# Altium PCB foxbms2-master.PcbDoc (part 1 of 11) (continued)
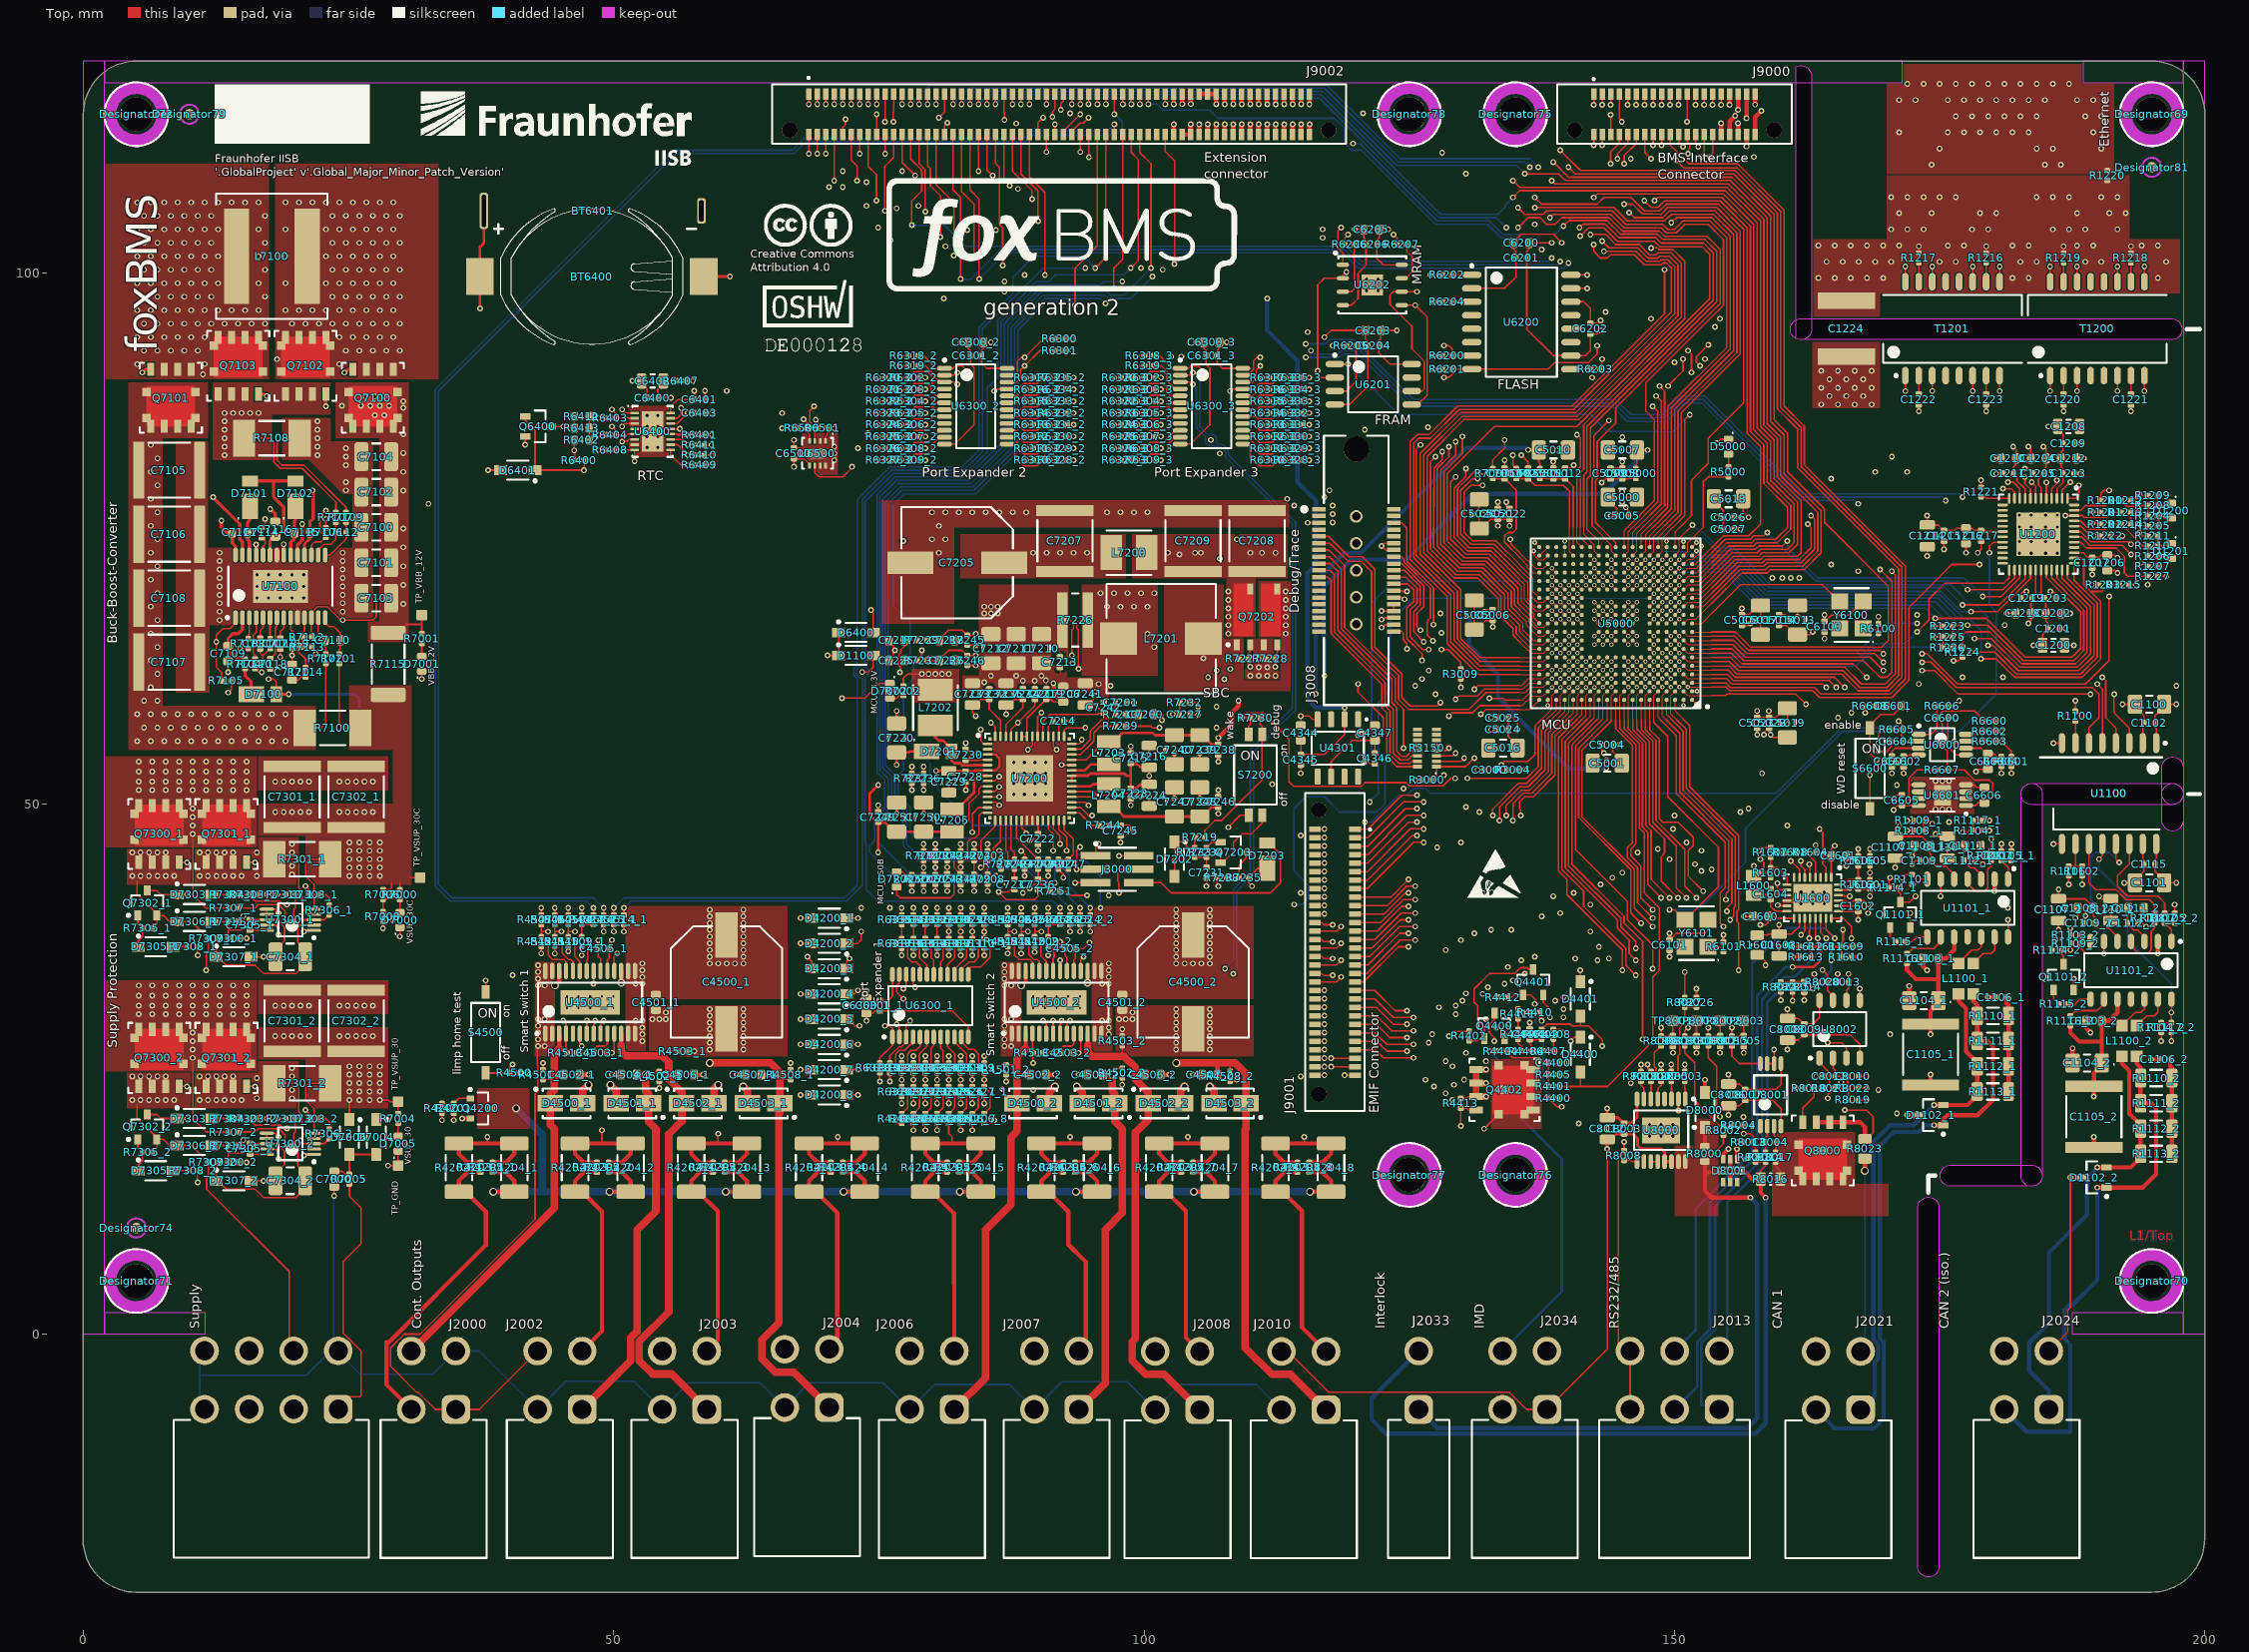
[diagram p0: Top view]
## Design rules (kind name [scope] priority, off if disabled: settings) (continued)
SupplyNets "Schematic Supply Nets_24" [InNet('VEE')] p4: voltage=0.000
SupplyNets "Schematic Supply Nets_23" [InNet('GND')] p5: voltage=0.000
SupplyNets "Schematic Supply Nets_22" [InNet('MCU_1.1V')] p6: voltage=0.000
SupplyNets "Schematic Supply Nets_21" [InNet('MCU_5.0V_LDO')] p7: voltage=0.000
SupplyNets "Schematic Supply Nets_20" [InNet('MCU_1.2V_LDO')] p8: voltage=0.000
SupplyNets "Schematic Supply Nets_19" [InNet('GND_ext')] p9: voltage=0.000
SupplyNets "Schematic Supply Nets_18" [InNet('MCU_2.5V')] p10: voltage=0.000
SupplyNets "Schematic Supply Nets_17" [InNet('VCC')] p11: voltage=0.000
SupplyNets "Schematic Supply Nets_16" [InNet('VCC_reg')] p12: voltage=0.000
SupplyNets "Schematic Supply Nets_15" [InNet('SHIELD')] p13: voltage=0.000
SupplyNets "Schematic Supply Nets_14" [InNet('MCU_3.3V')] p14: voltage=0.000
SupplyNets "Schematic Supply Nets_13" [InNet('MCU_1.2V')] p15: voltage=0.000
SupplyNets "Schematic Supply Nets_12" [InNet('VSUP_30')] p16: voltage=0.000
SupplyNets "Schematic Supply Nets_11" [InNet('VBAT')] p17: voltage=0.000
SupplyNets "Schematic Supply Nets_10" [InNet('VREF_5V')] p18: voltage=0.000
SupplyNets "Schematic Supply Nets_9" [InNet('VCCPLL_1.2V')] p19: voltage=0.000
SupplyNets "Schematic Supply Nets_8" [InNet('VBB_12V')] p20: voltage=0.000
SupplyNets "Schematic Supply Nets_7" [InNet('VCCAD_5.0V')] p21: voltage=0.000
SupplyNets "Schematic Supply Nets_6" [InNet('VSUP_30C')] p22: voltage=0.000
SupplyNets "Schematic Supply Nets_5" [InNet('ADREFHI')] p23: voltage=0.000
SupplyNets "Schematic Supply Nets_4" [InNet('GND_SW_1')] p24: voltage=0.000
SupplyNets "Schematic Supply Nets_3" [InNet('VCC_int')] p25: voltage=0.000
SupplyNets "Schematic Supply Nets_2" [InNet('VDD')] p26: voltage=0.000
SupplyNets "Schematic Supply Nets_1" [InNet('VBOS')] p27: voltage=0.000
SupplyNets "Schematic Supply Nets" [InNet('VISO_ext')] p28: voltage=0.000
UnRoutedNet [All] p1: checkbadconnections=TRUE
Width Width_mcu_fanout [WithinRoom('mcu_fanout')] p1: maxlimit=0.102 minlimit=0.102 preferedwidth=0.102
Width [All] p2: maxlimit=1.524 minlimit=0.152 preferedwidth=0.152
16 further rules are at their usual default settings.

## Classes and differential pairs
component class io-matrix: D1100 D6400
net class PE_IO: COM_IO.COM_IO_PE.IO0_0_1 COM_IO.COM_IO_PE.IO0_1_1 COM_IO.COM_IO_PE.IO0_2_1 COM_IO.COM_IO_PE.IO0_3_1 COM_IO.COM_IO_PE.IO0_4_1 COM_IO.COM_IO_PE.IO0_5_1 COM_IO.COM_IO_PE.IO0_6_1 COM_IO.COM_IO_PE.IO0_7_1 COM_IO.COM_IO_PE.IO1_0_1 COM_IO.COM_IO_PE.IO1_1_1 COM_IO.COM_IO_PE.IO1_2_1 COM_IO.COM_IO_PE.IO1_3_1 COM_IO.COM_IO_PE.IO1_4_1 COM_IO.COM_IO_PE.IO1_5_1 COM_IO.COM_IO_PE.IO1_6_1 COM_IO.COM_IO_PE.IO1_7_1 IODEV_IO.CONT_FB_IO.IO0_0_1 IODEV_IO.CONT_FB_IO.IO0_1_1 IODEV_IO.CONT_FB_IO.IO0_2_1 IODEV_IO.CONT_FB_IO.IO0_3_1 IODEV_IO.CONT_FB_IO.IO0_4_1 IODEV_IO.CONT_FB_IO.IO0_5_1 IODEV_IO.CONT_FB_IO.IO0_6_1 IODEV_IO.CONT_FB_IO.IO0_7_1 IODEV_IO.CONT_FB_IO.IO1_0_1 IODEV_IO.CONT_FB_IO.IO1_1_1 IODEV_IO.CONT_FB_IO.IO1_2_1 IODEV_IO.CONT_FB_IO.IO1_3_1 IODEV_IO.CONT_FB_IO.IO1_4_1 IODEV_IO.CONT_FB_IO.IO1_5_1 IODEV_IO.CONT_FB_IO.IO1_6_1 IODEV_IO.CONT_FB_IO.IO1_7_1 PER_IO.\SE_RESET_1 PER_IO.PE_IO3.IO0_1_1 PER_IO.PE_IO3.IO0_2_1 PER_IO.PE_IO3.IO0_3_1 PER_IO.PE_IO3.IO0_4_1 PER_IO.PE_IO3.IO0_5_1 PER_IO.PE_IO3.IO0_6_1 PER_IO.PE_IO3.IO0_7_1 PER_IO.PE_IO3.IO1_0_1 PER_IO.PE_IO3.IO1_1_1 PER_IO.PE_IO3.IO1_2_1 PER_IO.PE_IO3.IO1_3_1 PER_IO.PE_IO3.IO1_4_1 PER_IO.PE_IO3.IO1_5_1 PER_IO.PE_IO3.IO1_6_1 PER_IO.PE_IO3.IO1_7_1
net class ETHERNET_INT: A_10_N A_10_P B_10_N B_10_P C_10_N C_10_P D_10_N D_10_P
net class CON_EXTENSION: \DBG_RESET_1 FLASH_SPI.CLK_1 FLASH_SPI.MISO_1 FLASH_SPI.MOSI_1 INTERLOCK_IO.IL_ENABLE_EXT_1 INTERLOCK_IO.IL_STATE_1 IODEV_IO.SMSW1_IN1 IODEV_IO.SMSW1_IN2 IODEV_IO.SMSW1_IN3 IODEV_IO.SMSW1_IN4 IODEV_IO.SMSW2_IN1 IODEV_IO.SMSW2_IN2 IODEV_IO.SMSW2_IN3 IODEV_IO.SMSW2_IN4 IODEV_IO.SMSW_LHM_1 MCU_ADC.AD1EVT_1 MCU_ADC.AD1IN24 MCU_ADC.AD1IN25 MCU_ADC.AD1IN26 MCU_ADC.AD1IN27 MCU_ADC.AD2EVT_1 MCU_ADC.AD2IN16 MCU_ADC.AD2IN17 MCU_ADC.AD2IN18 MCU_ADC.AD2IN19 MCU_CAN3.RX_1 MCU_CAN3.TX_1 MCU_CAN4.RX_1 MCU_CAN4.TX_1 MCU_DCC.1_1 MCU_ECAP.4_1 MCU_ECAP.5_1 MCU_EPWM1.A_1 MCU_EPWM1.B_1 MCU_FRAY1.RX_1 MCU_FRAY1.TX_1 MCU_FRAY1.TXEN_1 MCU_FRAY2.RX_1 MCU_FRAY2.TX_1 MCU_FRAY2.TXEN_1 MCU_GIOA.7_1 MCU_GIOX.A4_1 MCU_GIOX.A11_1 MCU_GIOX.A14_1 MCU_GIOX.B3_1 MCU_GIOX.H4_1 MCU_GIOX.J1_1 MCU_GIOX.J4_1 MCU_GIOX.K19_1 MCU_GIOX.M16_1 MCU_GIOX.N16_1 MCU_GIOX.P1_1 MCU_GIOX.P2_1 MCU_I2C1.SCL_1 MCU_I2C1.SDA_1 MCU_LIN1.RX_1 MCU_LIN1.TX_1 MCU_LIN2.RX_1 MCU_LIN2.TX_1 MCU_RST.\PORRST_1 MCU_SCI3.RX_1 MCU_SCI3.TX_1 MCU_SPI3.\CS4_1 MCU_SPI3.\CS5_1 MCU_SPI5.\CS0_1 MCU_SPI5.\CS1_1 MCU_SPI5.\CS2_1 MCU_SPI5.\CS3_1 MCU_SPI5.CLK_1 MCU_SPI5.SIMO0_1 MCU_SPI5.SIMO1_1 MCU_SPI5.SIMO2_1 MCU_SPI5.SIMO3_1 MCU_SPI5.SOMI0_1 MCU_SPI5.SOMI1_1 MCU_SPI5.SOMI2_1 MCU_SPI5.SOMI3_1 PER_IO.\WW_ENABLE_1 PER_IO.\WW_RESETIN_1 SUPPLY_IO.SBC_MCU_FS0B_1
net class CON_IF: MCU_GIOA.2_1 MCU_GIOA.3_1 MCU_GIOA.4_1 MCU_GIOA.6_1 MCU_SPI1.\CS1_1 MCU_SPI1.\CS2_1 MCU_SPI1.\CS3_1 MCU_SPI1.\CS4_1 MCU_SPI1.\CS5_1 MCU_SPI1.CLK_1 MCU_SPI1.SIMO0_1 MCU_SPI1.SIMO1_1 MCU_SPI1.SOMI0_1 MCU_SPI1.SOMI1_1 MCU_SPI4.\CS0_1 MCU_SPI4.\CS1_1 MCU_SPI4.\CS2_1 MCU_SPI4.\CS3_1 MCU_SPI4.\CS4_1 MCU_SPI4.\CS5_1 MCU_SPI4.CLK_1 MCU_SPI4.SIMO_1 MCU_SPI4.SOMI_1 PER_IO.PE_IO3.IO1_0_1 PER_IO.PE_IO3.IO1_1_1 PER_IO.PE_IO3.IO1_2_1 PER_IO.PE_IO3.IO1_3_1 PER_IO.PE_IO3.IO1_4_1 PER_IO.PE_IO3.IO1_5_1 PER_IO.PE_IO3.IO1_6_1 PER_IO.PE_IO3.IO1_7_1
net class MCU_MII: MCU_MII.RXCLK_1 MCU_MII.RXCTRL_1 MCU_MII.RXD0_1 MCU_MII.RXD1_1 MCU_MII.RXD2_1 MCU_MII.RXD3_1 MCU_MII.TXCLK_1 MCU_MII.TXD0_1 MCU_MII.TXD1_1 MCU_MII.TXD2_1 MCU_MII.TXD3_1 MCU_MII.TXEN_1 NetU1200_40
net class ETHERNET_EXT: ETHERNET.LED_GN_A_1 ETHERNET.LED_GN_C_1 ETHERNET.LED_YE_A_1 ETHERNET.LED_YE_C_1 ETHERNET.RX1_1_N ETHERNET.RX1_1_P ETHERNET.RX2_1_N ETHERNET.RX2_1_P ETHERNET.SHIELD_1 ETHERNET.TX1_1_N ETHERNET.TX1_1_P ETHERNET.TX2_1_N ETHERNET.TX2_1_P NetR1216_2 NetR1217_2 NetR1218_2 NetR1219_2 SHIELD
net class iso_CAN2: \CAN2.STB_iso_3 CAN2.EN_iso_3 CAN2.RX_iso_3 CAN2.TX_iso_3 GND_ext iso_CAN2.H_1 iso_CAN2.L_1 iso_CAN2.VSUP_1 NetC1106_2_2 NetL1100_2_2 NetL1100_2_3 NetQ1101_2_D NetQ1101_2_G NetR1105_2_1 NetR1108_2_2 NetR1115_2_2 NetR1116_2_1 NetU1101_2_7 SEL_3 VISO_ext
net class MCU_JTAG: \DBG_RESET_1 \TRST_13 MCU_JTAG.\TRST_1 MCU_JTAG.RTCK_1 MCU_JTAG.TCK_1 MCU_JTAG.TDI_1 MCU_JTAG.TDO_1 MCU_JTAG.TMS_1 TCK_13 TDI_13 TMS_13
channel class supply-protection: supply-protection-30 supply-protection-30C
component class supply-protection-30C: C7300_1 C7301_1 C7302_1 C7303_1 C7304_1 C7305_1 D7303_1 D7305_1 D7306_1 D7307_1 Q7300_1 Q7301_1 Q7302_1 R7301_1 R7303_1 R7304_1 R7305_1 R7306_1 R7307_1 R7308_1 R7309_1 R7310_1 R7311_1 U7300_1
component class connectors-interface: J9000
component class connectors-extension: J9001 J9002
net class Supply_All: GND MCU_1.1V MCU_1.2V MCU_1.2V_LDO MCU_2.5V MCU_3.3V MCU_5.0V_LDO MCU_5.74V
net class MCU_LIN: MCU_LIN1.RX_1 MCU_LIN1.TX_1 MCU_LIN2.RX_1 MCU_LIN2.TX_1
net class MCU_I2C: MCU_I2C1.SCL_1 MCU_I2C1.SDA_1
net class MCU_SPI5: MCU_SPI5.\CS0_1 MCU_SPI5.\CS1_1 MCU_SPI5.\CS2_1 MCU_SPI5.\CS3_1 MCU_SPI5.CLK_1 MCU_SPI5.SIMO0_1 MCU_SPI5.SIMO1_1 MCU_SPI5.SIMO2_1 MCU_SPI5.SIMO3_1 MCU_SPI5.SOMI0_1 MCU_SPI5.SOMI1_1 MCU_SPI5.SOMI2_1 MCU_SPI5.SOMI3_1
net class MCU_SPI4: MCU_SPI4.\CS0_1 MCU_SPI4.\CS1_1 MCU_SPI4.\CS2_1 MCU_SPI4.\CS3_1 MCU_SPI4.\CS4_1 MCU_SPI4.\CS5_1 MCU_SPI4.CLK_1 MCU_SPI4.SIMO_1 MCU_SPI4.SOMI_1
net class MCU_SPI3: FLASH_SPI.\CS_1 FLASH_SPI.CLK_1 FLASH_SPI.MISO_1 FLASH_SPI.MOSI_1 FRAM_SPI.\CS_1 MCU_SPI3.\CS4_1 MCU_SPI3.\CS5_1 MCU_SPI3.\sCS6_1
net class MCU_SPI2: MCU_SPI2.\CS0_1 MCU_SPI2.\sCS2_1 MCU_SPI2.CLK_1 MCU_SPI2.SIMO_1 MCU_SPI2.SOMI_1
net class MCU_SPI1: MCU_SPI1.\CS1_1 MCU_SPI1.\CS2_1 MCU_SPI1.\CS3_1 MCU_SPI1.\CS4_1 MCU_SPI1.\CS5_1 MCU_SPI1.CLK_1 MCU_SPI1.SIMO0_1 MCU_SPI1.SIMO1_1 MCU_SPI1.SOMI0_1 MCU_SPI1.SOMI1_1
net class MCU_FRAY: MCU_FRAY1.RX_1 MCU_FRAY1.TX_1 MCU_FRAY1.TXEN_1 MCU_FRAY2.RX_1 MCU_FRAY2.TX_1 MCU_FRAY2.TXEN_1
net class MCU_CAN: MCU_CAN1.RX_1 MCU_CAN1.TX_1 MCU_CAN2.RX_1 MCU_CAN2.TX_1 MCU_CAN3.RX_1 MCU_CAN3.TX_1 MCU_CAN4.RX_1 MCU_CAN4.TX_1
net class MCU_ADC: MCU_ADC.AD1EVT_1 MCU_ADC.AD1IN0 MCU_ADC.AD1IN1 MCU_ADC.AD1IN2 MCU_ADC.AD1IN3 MCU_ADC.AD1IN4 MCU_ADC.AD1IN5 MCU_ADC.AD1IN6 MCU_ADC.AD1IN7 MCU_ADC.AD1IN8 MCU_ADC.AD1IN9 MCU_ADC.AD1IN10 MCU_ADC.AD1IN11 MCU_ADC.AD1IN12 MCU_ADC.AD1IN13 MCU_ADC.AD1IN14 MCU_ADC.AD1IN15 MCU_ADC.AD1IN16 MCU_ADC.AD1IN17 MCU_ADC.AD1IN18 MCU_ADC.AD1IN19 MCU_ADC.AD1IN20 MCU_ADC.AD1IN21 MCU_ADC.AD1IN22 MCU_ADC.AD1IN23 MCU_ADC.AD1IN24 MCU_ADC.AD1IN25 MCU_ADC.AD1IN26 MCU_ADC.AD1IN27 MCU_ADC.AD1IN28 MCU_ADC.AD1IN29 MCU_ADC.AD1IN30 MCU_ADC.AD1IN31 MCU_ADC.AD2EVT_1 MCU_ADC.AD2IN16 MCU_ADC.AD2IN17 MCU_ADC.AD2IN18 MCU_ADC.AD2IN19 MCU_ADC.AD2IN20 MCU_ADC.AD2IN21 MCU_ADC.AD2IN22 MCU_ADC.AD2IN23 MCU_ADC.AD2IN24
net class MCU_ETM: MCU_ETM.CLKIN_1 MCU_ETM.CLKOUT_1 MCU_ETM.CTL_1 MCU_ETM.DATA0_1 MCU_ETM.DATA1_1 MCU_ETM.DATA2_1 MCU_ETM.DATA3_1 MCU_ETM.DATA4_1 MCU_ETM.DATA5_1 MCU_ETM.DATA6_1 MCU_ETM.DATA7_1
net class MCU_EMIF: MCU_EMIF.\CAS_1 MCU_EMIF.\CS0_1 MCU_EMIF.\CS2_1 MCU_EMIF.\CS3_1 MCU_EMIF.\CS4_1 MCU_EMIF.\DQM0_1 MCU_EMIF.\DQM1_1 MCU_EMIF.\OE_1 MCU_EMIF.\RAS_1 MCU_EMIF.\WAIT_1 MCU_EMIF.\WE_1 MCU_EMIF.ADDR0 MCU_EMIF.ADDR1 MCU_EMIF.ADDR2 MCU_EMIF.ADDR3 MCU_EMIF.ADDR4 MCU_EMIF.ADDR5 MCU_EMIF.ADDR6 MCU_EMIF.ADDR7 MCU_EMIF.ADDR8 MCU_EMIF.ADDR9 MCU_EMIF.ADDR10 MCU_EMIF.ADDR11 MCU_EMIF.ADDR12 MCU_EMIF.ADDR13 MCU_EMIF.ADDR14 MCU_EMIF.ADDR15 MCU_EMIF.ADDR16 MCU_EMIF.ADDR17 MCU_EMIF.ADDR18 MCU_EMIF.ADDR19 MCU_EMIF.ADDR20 MCU_EMIF.ADDR21 MCU_EMIF.BA0_1 MCU_EMIF.BA1_1 MCU_EMIF.CKE_1 MCU_EMIF.CLK_1 MCU_EMIF.DATA0 MCU_EMIF.DATA1 MCU_EMIF.DATA2 MCU_EMIF.DATA3 MCU_EMIF.DATA4 MCU_EMIF.DATA5 MCU_EMIF.DATA6 MCU_EMIF.DATA7 MCU_EMIF.DATA8 MCU_EMIF.DATA9 MCU_EMIF.DATA10 MCU_EMIF.DATA11 MCU_EMIF.DATA12 MCU_EMIF.DATA13 MCU_EMIF.DATA14 MCU_EMIF.DATA15
net class MCU_DMM: MCU_DMM.\ENA_1 MCU_DMM.CLK_1 MCU_DMM.DATA0_1 MCU_DMM.DATA1_1 MCU_DMM.SYNC_1
net class MCU_Supply: ADREFHI GND MCU_1.2V MCU_3.3V VCCAD_5.0V VCCPLL_1.2V
component class oscillator-20MHz: C6100 R6100 Y6100
component class interlock: C8000 C8001 C8002 C8003 C8004 C8005 C8006 C8007 C8008 C8009 C8010 C8011 C8012 C8013 C8014 D8000 D8001 Q8000 R8000 R8001 R8002 R8003 R8004 R8005 R8006 R8007 R8008 R8009 R8010 R8011 R8012 R8013 R8014 R8015 R8016 R8017 R8018 R8019 R8020 R8021 R8022 R8023 R8024 R8025 R8026 R8027 TP8000 TP8001 TP8002 TP8003 U8000 U8001 U8002
channel class smart-switch: smart-switch1 smart-switch2
channel class port-expander: port-expander1 port-expander2 port-expander3
channel class contactor-feedback-divider: contactor-feedback-divider1 contactor-feedback-divider2 contactor-feedback-divider3 contactor-feedback-divider4 contactor-feedback-divider5 contactor-feedback-divider6 contactor-feedback-divider7 contactor-feedback-divider8
channel class can-transceiver: can-transceiver1 can-transceiver2
component class window-watchdog: C6600 C6601 C6602 C6603 C6604 C6605 C6606 D6601 R6600 R6601 R6602 R6603 R6604 R6605 R6606 R6607 R6608 S6600 U6600 U6601
component class vref-5.0V: C4344 C4345 C4346 C4347 U4301
component class supply: C7000 C7001 D7000 D7001 D7002 D7004 D7005 D7006 R7000 R7001 R7002 R7004 R7005 R7006 R7007 R7008 TP_GND TP_VBB_12V TP_VSUP_30 TP_VSUP_30C
component class supply-protection-30: C7300_2 C7301_2 C7302_2 C7303_2 C7304_2 C7305_2 D7303_2 D7305_2 D7306_2 D7307_2 Q7300_2 Q7301_2 Q7302_2 R7301_2 R7303_2 R7304_2 R7305_2 R7306_2 R7307_2 R7308_2 R7309_2 R7310_2 R7311_2 U7300_2
component class smart-switches: R4500 S4500
component class smart-switch2: C4500_2 C4501_2 C4502_2 C4503_2 C4504_2 C4505_2 C4506_2 C4507_2 D4500_2 D4501_2 D4502_2 D4503_2 R4501_2 R4502_2 R4503_2 R4504_2 R4505_2 R4506_2 R4507_2 R4508_2 R4509_2 R4510_2 R4511_2 R4512_2 R4513_2 R4514_2 R4515_2 R4516_2 R4517_2 U4500_2
component class smart-switch1: C4500_1 C4501_1 C4502_1 C4503_1 C4504_1 C4505_1 C4506_1 C4507_1 D4500_1 D4501_1 D4502_1 D4503_1 R4501_1 R4502_1 R4503_1 R4504_1 R4505_1 R4506_1 R4507_1 R4508_1 R4509_1 R4510_1 R4511_1 R4512_1 R4513_1 R4514_1 R4515_1 R4516_1 R4517_1 U4500_1
component class sensor-hum-temp: C6500 R6500 R6501 U6500
component class sbcs: C7200 C7201 R7200 R7201 R7202 R7203 R7204 R7205 R7206 R7208 R7209 R7210
component class sbc-mcu: C7205 C7206 C7207 C7208 C7209 C7210 C7211 C7212 C7213 C7214 C7215 C7216 C7217 C7218 C7219 C7220 C7221 C7222 C7223 C7224 C7225 C7226 C7227 C7228 C7229 C7230 C7231 C7232 C7233 C7234 C7235 C7236 C7237 C7238 C7239 C7240 C7241 C7242 C7243 C7244 C7245 C7246 C7247 C7248 C7249 C7250 C7251 D7200 D7201 D7202 D7203 L7200 L7201 L7202 L7203 L7204 L7205 Q7202 Q7203 R7207 R7219 R7226 R7227 R7228 R7229 R7230 R7231 R7232 R7233 R7234 R7235 R7236 R7237 R7238 R7239 R7240 R7241 R7242 R7243 R7244 R7245 R7246 R7247 R7248 R7249 R7250 R7251 S7200 U7200
component class rtc: BT6400 BT6401 C6400 C6401 C6402 C6403 D6401 Q6400 R6400 R6401 R6402 R6403 R6404 R6407 R6408 R6409 R6410 R6411 R6412 R6413 U6400
component class rs232-rs485-transceiver: C1600 C1601 C1602 C1603 C1604 L1600 R1600 R1601 R1602 R1603 R1604 R1605 R1606 R1607 R1608 R1609 R1610 R1611 R1612 R1613 U1600
component class port-expanders: R6300 R6301
component class port-expander3: C6300_3 C6301_3 R6302_3 R6303_3 R6304_3 R6305_3 R6306_3 R6307_3 R6308_3 R6309_3 R6310_3 R6311_3 R6312_3 R6313_3 R6314_3 R6315_3 R6316_3 R6317_3 R6318_3 R6319_3 R6320_3 R6321_3 R6322_3 R6323_3 R6324_3 R6325_3 R6326_3 R6327_3 R6328_3 R6329_3 R6330_3 R6331_3 R6332_3 R6333_3 R6334_3 R6335_3 U6300_3
component class port-expander2: C6300_2 C6301_2 R6302_2 R6303_2 R6304_2 R6305_2 R6306_2 R6307_2 R6308_2 R6309_2 R6310_2 R6311_2 R6312_2 R6313_2 R6314_2 R6315_2 R6316_2 R6317_2 R6318_2 R6319_2 R6320_2 R6321_2 R6322_2 R6323_2 R6324_2 R6325_2 R6326_2 R6327_2 R6328_2 R6329_2 R6330_2 R6331_2 R6332_2 R6333_2 R6334_2 R6335_2 U6300_2
component class port-expander1: C6300_1 C6301_1 R6302_1 R6303_1 R6304_1 R6305_1 R6306_1 R6307_1 R6308_1 R6309_1 R6310_1 R6311_1 R6312_1 R6313_1 R6314_1 R6315_1 R6316_1 R6317_1 R6318_1 R6319_1 R6320_1 R6321_1 R6322_1 R6323_1 R6324_1 R6325_1 R6326_1 R6327_1 R6328_1 R6329_1 R6330_1 R6331_1 R6332_1 R6333_1 R6334_1 R6335_1 U6300_1
component class oscillator-25MHz: C6101 R6101 Y6101
component class mram: C6205 C6206 R6206 R6207 U6202
component class mcu-supply: C5000 C5001 C5002 C5003 C5004 C5005 C5006 C5007 C5008 C5009 C5010 C5011 C5012 C5013 C5014 C5015 C5016 C5017 C5018 C5019 C5020 C5021 C5022 C5023 C5024 C5025 C5026 C5027 C5028 FB5000 FB5001 FB5002
component class mcu-com-gpio-tim: D5000 R5000
component class mcu-adc: U5000
component class insulation-monitoring: C4400 C4401 D4400 D4401 Q4400 Q4401 Q4402 R4400 R4401 R4402 R4403 R4404 R4405 R4406 R4407 R4408 R4409 R4410 R4411 R4412 R4413
component class fram: C6203 C6204 R6205 U6201
component class flash: C6200 C6201 C6202 R6200 R6201 R6202 R6203 R6204 U6200
component class ethernet-phy: C1200 C1201 C1202 C1203 C1204 C1205 C1206 C1207 C1208 C1209 C1210 C1211 C1212 C1213 C1214 C1215 C1216 C1217 C1218 C1219 C1220 C1221 C1222 C1223 C1224 D1200 D1201 R1200 R1201 R1202 R1203 R1204 R1205 R1206 R1207 R1208 R1209 R1210 R1211 R1212 R1213 R1214 R1215 R1216 R1217 R1218 R1219 R1220 R1221 R1222 R1223 R1224 R1225 R1226 R1227 T1200 T1201 U1200
component class digital-isolator-can: C1100 C1101 C1102 C1115 R1100 R1102 R1106 U1100
component class contactor-feedback: Q4200 R4200 R4201
component class contactor-feedback-divider8: D4200_8 R4202_8 R4203_8 R4204_8 R4205_8 R4206_8
component class contactor-feedback-divider7: D4200_7 R4202_7 R4203_7 R4204_7 R4205_7 R4206_7
component class contactor-feedback-divider6: D4200_6 R4202_6 R4203_6 R4204_6 R4205_6 R4206_6
component class contactor-feedback-divider5: D4200_5 R4202_5 R4203_5 R4204_5 R4205_5 R4206_5
component class contactor-feedback-divider4: D4200_4 R4202_4 R4203_4 R4204_4 R4205_4 R4206_4
component class contactor-feedback-divider3: D4200_3 R4202_3 R4203_3 R4204_3 R4205_3 R4206_3
component class contactor-feedback-divider2: D4200_2 R4202_2 R4203_2 R4204_2 R4205_2 R4206_2
component class contactor-feedback-divider1: D4200_1 R4202_1 R4203_1 R4204_1 R4205_1 R4206_1
component class connectors-internal: C3000 J3000 J3008 R3000 R3004 R3009 R3150
component class connectors-external: J2000 J2002 J2003 J2004 J2006 J2007 J2008 J2010 J2013 J2021 J2024 J2033 J2034
component class can: R1101
component class can-transceiver2: C1103_2 C1104_2 C1105_2 C1106_2 C1107_2 C1108_2 C1109_2 C1110_2 C1111_2 C1112_2 D1102_2 L1100_2 Q1101_2 R1103_2 R1104_2 R1105_2 R1107_2 R1108_2 R1109_2 R1110_2 R1111_2 R1112_2 R1113_2 R1114_2 R1115_2 R1116_2 R1117_2 U1101_2
component class can-transceiver1: C1103_1 C1104_1 C1105_1 C1106_1 C1107_1 C1108_1 C1109_1 C1110_1 C1111_1 C1112_1 D1102_1 L1100_1 Q1101_1 R1103_1 R1104_1 R1105_1 R1107_1 R1108_1 R1109_1 R1110_1 R1111_1 R1112_1 R1113_1 R1114_1 R1115_1 R1116_1 R1117_1 U1101_1
component class buck-boost-converter: C7100 C7101 C7102 C7103 C7104 C7105 C7106 C7107 C7108 C7109 C7110 C7111 C7112 C7113 C7114 C7115 C7116 C7117 C7118 C7119 C7120 D7100 D7101 D7102 L7100 Q7100 Q7101 Q7102 Q7103 R7100 R7101 R7102 R7103 R7104 R7105 R7106 R7107 R7108 R7109 R7110 R7111 R7112 R7113 R7114 R7115 U7100
differential pair D_10: +D_10_P -D_10_N
differential pair C_10: +C_10_P -C_10_N
differential pair B_10: +B_10_P -B_10_N
differential pair A_10: +A_10_P -A_10_N
differential pair ETHERNET.TX2_1: +ETHERNET.TX2_1_P -ETHERNET.TX2_1_N
differential pair ETHERNET.TX1_1: +ETHERNET.TX1_1_P -ETHERNET.TX1_1_N
differential pair ETHERNET.RX2_1: +ETHERNET.RX2_1_P -ETHERNET.RX2_1_N
differential pair ETHERNET.RX1_1: +ETHERNET.RX1_1_P -ETHERNET.RX1_1_N

## Components (designator, comment, footprint, x,y, rotation, side; value= is the part's Value field where it differs from the comment)
BT6400 "SMTU_1225-1-LF" SMTU_1225-1-LF 47.942,99.695 r0 top locked
BT6401 "BR2477A/HBN" BR2477A-HBN 50.165,105.886 r180 top locked
C1100 "22u/10V" CAPC3216X18N 194.786,59.372 r0 top
C1101 "22u/10V" CAPC3216X18N 194.786,42.545 r0 top
C1102 "100n/50V" CAPC1005X06N 194.786,57.626 r0 top
C1103_1 "100n/100V" CAPC1608X08N 174.149,35.401 r0 top (schematic designator C1103)
C1103_2 "100n/100V" CAPC1608X08N 189.547,29.527 r0 top (schematic designator C1103)
C1104_1 "1u/100V" CAPC3216X18N 173.514,31.432 r0 top (schematic designator C1104)
C1104_2 "1u/100V" CAPC3216X18N 188.912,25.559 r0 top (schematic designator C1104)
C1105_1 "10u/100V" CAPC5750X28N 174.149,26.352 r90 top (schematic designator C1105)
C1105_2 "10u/100V" CAPC5750X28N 189.547,20.479 r90 top (schematic designator C1105)
C1106_1 "4n7/50V" CAPC1005X06N 180.816,31.75 r0 top (schematic designator C1106)
C1106_2 "4n7/50V" CAPC1005X06N 196.215,25.876 r0 top (schematic designator C1106)
C1107_1 "10u/16V" CAPC2012X14N 170.815,45.879 r90 top (schematic designator C1107)
C1107_2 "10u/16V" CAPC2012X14N 186.214,40.005 r90 top (schematic designator C1107)
C1108_1 "1u/50V" CAPC1608X08N 173.355,46.038 r0 top (schematic designator C1108)
C1108_2 "1u/50V" CAPC1608X08N 188.754,40.164 r0 top (schematic designator C1108)
C1109_1 "100n/50V" CAPC1005X06N 173.672,44.609 r0 top (schematic designator C1109)
C1109_2 "100n/50V" CAPC1005X06N 189.071,38.735 r0 top (schematic designator C1109)
C1110_1 "10u/16V" CAPC2012X14N 175.736,45.879 r90 top (schematic designator C1110)
C1110_2 "10u/16V" CAPC2012X14N 191.135,40.005 r90 top (schematic designator C1110)
C1111_1 "1u/50V" CAPC1608X08N 178.118,46.038 r180 top (schematic designator C1111)
C1111_2 "1u/50V" CAPC1608X08N 193.516,40.164 r180 top (schematic designator C1111)
C1112_1 "100n/50V" CAPC1005X06N 177.8,44.609 r180 top (schematic designator C1112)
C1112_2 "100n/50V" CAPC1005X06N 193.199,38.735 r180 top (schematic designator C1112)
C1115 "100n/50V" CAPC1005X06N 194.786,44.291 r0 top
C1200 "10u/16V" CAPC2012X14N 185.737,64.929 r180 top
C1201 "10n/25V" CAPC1005X06N 185.737,66.516 r180 top
C1202 "1u/50V" CAPC1608X08N 185.737,67.945 r180 top
C1203 "100n/50V" CAPC1005X06N 185.42,69.374 r180 top
C1204 "1u/50V" CAPC1608X08N 184.309,82.55 r0 top
C1205 "100n/50V" CAPC1005X06N 184.309,81.121 r0 top
C1206 "1u/50V" CAPC1608X08N 190.817,72.707 r90 top
C1207 "100n/50V" CAPC1005X06N 189.389,72.707 r90 top locked
C1208 "10u/16V" CAPC2012X14N 187.166,85.566 r180 top
C1209 "10n/25V" CAPC1005X06N 187.166,83.979 r180 top
C1210 "1u/50V" CAPC1608X08N 181.485,82.55 r0 top
C1211 "100n/50V" CAPC1005X06N 181.485,81.121 r0 top
C1212 "1u/50V" CAPC1608X08N 187.166,82.55 r180 top
C1213 "100n/50V" CAPC1005X06N 187.166,81.121 r180 top locked
C1214 "10u/16V" CAPC2012X14N 173.831,75.248 r90 top
C1215 "10n/25V" CAPC1005X06N 175.419,75.248 r90 top
C1216 "1u/50V" CAPC1608X08N 177.482,75.248 r90 top
C1217 "100n/50V" CAPC1005X06N 178.911,75.248 r90 top
C1218 "1u/50V" CAPC1608X08N 182.88,67.945 r0 top
C1219 "100n/50V" CAPC1005X06N 183.197,69.374 r0 top
C1220 "100n/50V" CAPC1005X06N 186.69,88.106 r90 top
C1221 "100n/50V" CAPC1005X06N 193.04,88.106 r90 top
C1222 "100n/50V" CAPC1005X06N 173.037,88.106 r90 top
C1223 "100n/50V" CAPC1005X06N 179.387,88.106 r90 top
C1224 "1n/3000V" CAPC2220(5750)230_N 166.211,94.774 r90 top
C1600 "1u/50V" CAPC1608X08N 158.115,39.37 r180 top locked
C1601 "1u/50V" CAPC1608X08N 165.486,45.085 r0 top
C1602 "100n/50V" CAPC1005X06N 167.322,40.322 r90 top
C1603 "4u7/25V" CAPC2012X14N 159.861,36.671 r90 top
C1604 "220n/35V" CAPC1005X06N 159.067,41.468 r270 top locked
C3000 "100n/50V" CAPC1005X06N 132.556,53.181 r0 top
C4344 "1u/50V" CAPC1608X08N 114.776,56.674 r270 top
C4345 "100n/50V" CAPC1005X06N 114.776,54.134 r90 top
C4346 "100n/50V" CAPC1005X06N 121.761,54.259 r90 top
C4347 "1u/50V" CAPC1608X08N 121.761,56.674 r270 top
C4400 "150p/50V" CAPC1005X06N 138.589,25.559 r180 top
C4401 "150p/50V" CAPC1005X06N 136.366,28.258 r270 top
C4500_1 "100µF/63V" ELECTROLYTIC_CAP_PANASONIC_G 60.642,33.179 r270 top (schematic designator C4500)
C4500_2 "100µF/63V" ELECTROLYTIC_CAP_PANASONIC_G 104.616,33.179 r270 top (schematic designator C4500)
C4501_1 "100n/100V" CAPC1608X08N 53.975,31.274 r90 top (schematic designator C4501)
C4501_2 "100n/100V" CAPC1608X08N 97.949,31.274 r90 top (schematic designator C4501)
C4502_1 "10n/100V" CAPC1608X08N 46.038,24.447 r180 top (schematic designator C4502)
C4502_2 "10n/100V" CAPC1608X08N 90.011,24.447 r180 top (schematic designator C4502)
C4503_1 "100n/50V" CAPC1005X06N 48.736,26.511 r180 top (schematic designator C4503)
C4503_2 "100n/50V" CAPC1005X06N 92.71,26.511 r180 top (schematic designator C4503)
C4504_1 "10n/100V" CAPC1608X08N 51.435,24.447 r0 top (schematic designator C4504)
C4504_2 "10n/100V" CAPC1608X08N 95.409,24.447 r0 top (schematic designator C4504)
C4505_1 "100n/50V" CAPC1005X06N 49.054,36.354 r0 top (schematic designator C4505)
C4505_2 "100n/50V" CAPC1005X06N 93.027,36.354 r0 top (schematic designator C4505)
C4506_1 "10n/100V" CAPC1608X08N 56.832,24.447 r180 top (schematic designator C4506)
C4506_2 "10n/100V" CAPC1608X08N 100.806,24.447 r180 top (schematic designator C4506)
C4507_1 "10n/100V" CAPC1608X08N 63.182,24.447 r0 top (schematic designator C4507)
C4507_2 "10n/100V" CAPC1608X08N 106.204,24.447 r0 top (schematic designator C4507)
C5000 "22u/10V" CAPC3216X18N 145.097,78.899 r180 top
C5001 "22u/10V" CAPC3216X18N 143.663,53.816 r0 top
C5002 "22u/10V" CAPC3216X18N 131.127,67.786 r270 top
C5003 "100n/50V" CAPC1005X06N 156.369,67.31 r90 top
C5004 "100n/50V" CAPC1005X06N 143.663,55.562 r0 top
C5005 "100n/50V" CAPC1005X06N 145.097,77.153 r180 top
C5006 "100n/50V" CAPC1005X06N 132.874,67.786 r270 top
C5007 "22u/10V" CAPC3216X18N 145.097,83.344 r0 top
C5008 "100n/50V" CAPC1005X06N 145.097,81.121 r270 top
C5009 "10n/25V" CAPC1005X06N 143.986,81.121 r270 top
C5010 "22u/10V" CAPC3216X18N 138.589,83.344 r180 top
C5011 "100n/50V" CAPC1005X06N 138.589,81.121 r270 top
C5012 "10n/25V" CAPC1005X06N 139.7,81.121 r270 top
C5013 "22u/10V" CAPC3216X18N 161.607,67.31 r270 top
C5014 "100n/50V" CAPC1005X06N 159.861,67.31 r270 top
C5015 "100n/50V" CAPC1005X06N 136.207,81.121 r270 top
C5016 "22u/10V" CAPC3216X18N 133.826,55.245 r0 top
C5017 "22u/10V" CAPC3216X18N 158.115,67.31 r90 top locked
C5018 "22u/10V" CAPC3216X18N 155.099,78.74 r180 top
C5019 "22u/10V" CAPC3216X18N 160.655,57.626 r90 top
C5020 "22u/10V" CAPC3216X18N 131.604,77.311 r270 top
C5021 "100n/50V" CAPC1005X06N 133.35,77.311 r270 top
C5022 "100n/50V" CAPC1005X06N 134.461,77.311 r270 top
C5023 "100n/50V" CAPC1005X06N 157.797,57.626 r90 top
C5024 "100n/50V" CAPC1005X06N 133.826,56.991 r0 top
C5025 "100n/50V" CAPC1005X06N 133.826,58.102 r0 top
C5026 "100n/50V" CAPC1005X06N 155.099,76.994 r180 top
C5027 "100n/50V" CAPC1005X06N 155.099,75.882 r180 top
C5028 "100n/50V" CAPC1005X06N 158.909,57.626 r90 top
C6100 "100n/50V" CAPC1005X06N 164.147,66.675 r270 top
C6101 "100n/50V" CAPC1005X06N 149.542,36.671 r270 top
C6200 "1u/50V" CAPC1608X08N 135.572,102.87 r180 top
C6201 "100n/50V" CAPC1005X06N 135.572,101.441 r180 top
C6202 "100n/50V" CAPC1005X06N 142.081,94.774 r90 top
C6203 "1u/50V" CAPC1608X08N 121.602,94.615 r0 top
C6204 "100n/50V" CAPC1005X06N 121.602,93.186 r0 top
C6205 "1u/50V" CAPC1608X08N 121.444,104.14 r0 top
C6206 "100n/50V" CAPC1005X06N 121.444,102.711 r0 top
C6300_1 "1u/50V" CAPC1608X08N 73.819,30.956 r90 top (schematic designator C6300)
C6300_2 "1u/50V" CAPC1608X08N 84.138,93.504 r0 top (schematic designator C6300)
C6300_3 "1u/50V" CAPC1608X08N 106.362,93.504 r0 top (schematic designator C6300)
C6301_1 "100n/50V" CAPC1005X06N 75.089,30.956 r90 top (schematic designator C6301)
C6301_2 "100n/50V" CAPC1005X06N 84.138,92.234 r0 top (schematic designator C6301)
C6301_3 "100n/50V" CAPC1005X06N 106.362,92.234 r0 top (schematic designator C6301)
C6400 "100n/50V" CAPC1005X06N 53.657,88.265 r0 top
C6401 "100n/50V" CAPC1005X06N 58.102,88.106 r180 top
C6402 "10u/16V" CAPC2012X14N 53.657,89.852 r0 top
C6403 "100n/50V" CAPC1005X06N 58.102,86.836 r180 top locked
C6500 "100n/50V" CAPC1005X06N 66.992,83.026 r270 top
C6600 "100n/50V" CAPC1005X06N 175.26,58.102 r180 top
C6601 "47n/50V" CAPC1005X06N 170.498,53.975 r90 top locked
C6602 "22n/50V" CAPC1005X06N 171.609,53.975 r90 top locked
C6603 "27p/50V" CAPC1608X08N 179.546,53.975 r90 top
C6604 "22n/50V" CAPC1005X06N 170.974,55.88 r0 top
C6605 "100n/50V" CAPC1005X06N 171.45,50.324 r270 top
C6606 "1u/50V" CAPC1608X08N 179.229,50.8 r270 top
C7000 "100n/100V" CAPC1608X08N 23.654,14.605 r90 top
C7001 "10n/25V" CAPC1005X06N 133.985,81.121 r270 top
C7100 "22u/25V" CAPC3225X25N 27.622,76.041 r0 top
C7101 "22u/25V" CAPC3225X25N 27.622,72.707 r0 top
C7102 "22u/25V" CAPC3225X25N 27.622,79.375 r0 top
C7103 "22u/25V" CAPC3225X25N 27.622,69.374 r0 top
C7104 "22u/25V" CAPC3225X25N 27.622,82.709 r0 top
C7105 "10u/100V" CAPC5750X28N 8.096,81.439 r180 top
C7106 "10u/100V" CAPC5750X28N 8.096,75.406 r180 top
C7107 "10u/100V" CAPC5750X28N 8.096,63.341 r180 top
C7108 "10u/100V" CAPC5750X28N 8.096,69.374 r180 top
C7109 "100n/100V" CAPC1608X08N 13.652,64.135 r90 top
C7110 "1u/50V" CAPC1608X08N 23.495,65.405 r0 top
C7111 "100n/100V" CAPC1608X08N 14.764,75.565 r180 top
C7112 "47p/50V" CAPC1005X06N 24.289,75.565 r180 top locked
C7113 "100n/50V" CAPC1005X06N 18.574,65.087 r270 top locked
C7114 "100n/50V" CAPC1005X06N 16.828,75.565 r90 top locked
C7115 "100n/100V" CAPC1608X08N 20.637,75.565 r0 top
C7116 "1u/50V" CAPC1608X08N 18.098,75.882 r90 top
C7117 "47n/50V" CAPC1005X06N 16.669,65.087 r90 top locked
C7118 "150p/50V" CAPC1005X06N 17.621,63.182 r90 top locked
C7119 "150p/50V" CAPC1005X06N 19.685,65.087 r90 top
C7120 "5n6/50V" CAPC1608X08N 19.685,62.389 r270 top
C7200 "8n2/50V" CAPC1608X08N 100.171,58.42 r0 top locked
C7201 "150p/50V" CAPC1005X06N 97.79,59.531 r0 top
C7205 "33µF/100V" ELECTROLYTIC_CAP_PANASONIC_G 82.391,72.707 r180 top
C7206 "100n/100V" CAPC1608X08N 92.392,60.325 r270 top
C7207 "10u/100V" CAPC5750X28N 92.551,74.771 r270 top
C7208 "10u/100V" CAPC5750X28N 110.649,74.771 r270 top
C7209 "10u/100V" CAPC5750X28N 104.616,74.771 r270 top
C7210 "22u/10V" CAPC3216X18N 90.329,64.611 r90 top
C7211 "22u/10V" CAPC3216X18N 87.947,64.611 r90 top
C7212 "22u/10V" CAPC3216X18N 85.566,64.611 r90 top
C7213 "100n/50V" CAPC1005X06N 92.075,63.341 r90 top
C7214 "47n/50V" CAPC1005X06N 91.916,57.785 r0 top locked